# Altium PCB Archimajor.PcbDoc (part 9 of 12) (continued)
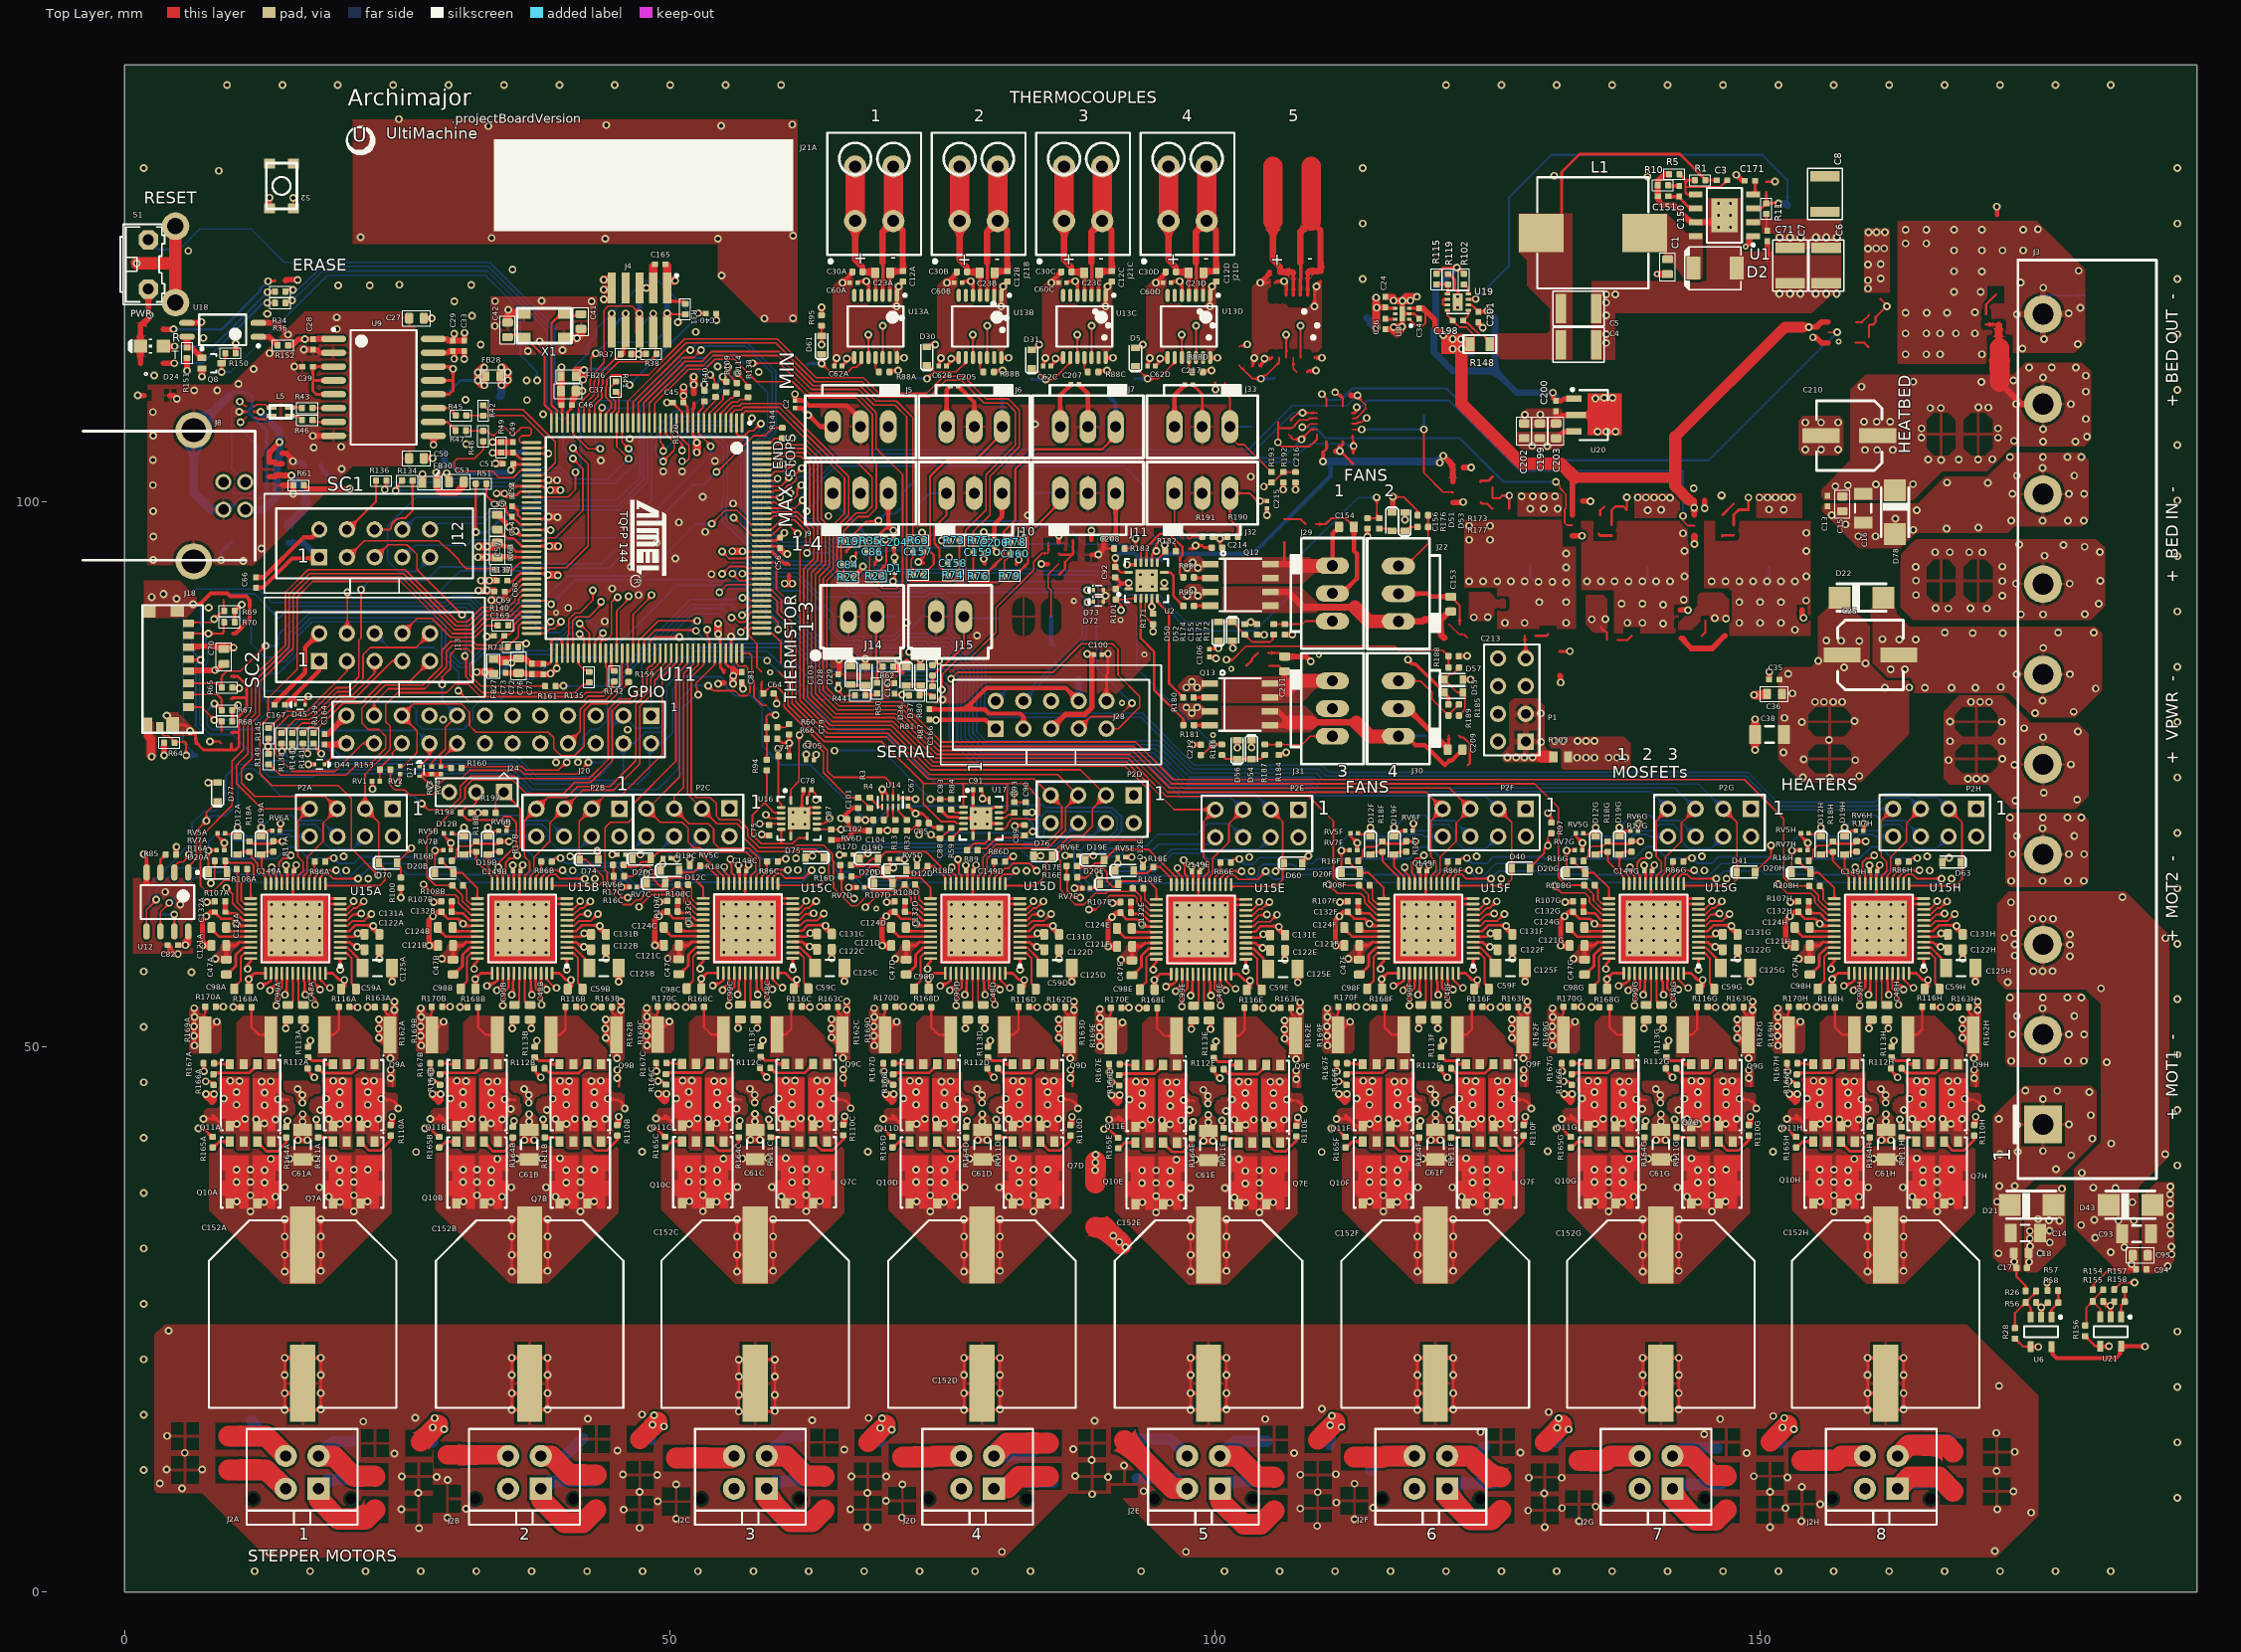
[diagram p0: Top Layer view]
## Nets (pads, with @x,y where several pads share a name; then routed paths per layer and width w, separated by ;. In a path a pad name is that pad's centre, name@x,y a point inside that pad or via, vN(x,y) a via of type N, cw(c..) or ccw(c..) an arc to the next point about the centre after c; other vN are vias at no path point) (continued)
SCLK_M1BUS: C104.2 R13.1 U12.6 U15A.14 U15B.14 U15C.14 U15D.14 | length 123.7
  Top Layer w0.152: U12.6@3.302,60.571 3.302,62.352 4.121,63.171 v1(4.121,63.196)
  Top Layer w0.165: C104.2@69.218,69.809 69.23,69.822 69.945,69.822 v1(69.958,69.834) 69.963,69.829 R13.1@70.693,69.829
  Top Layer w0.166: U15A.14@17.932,64.935 17.932,65.433 17.95,65.451 17.95,65.51 18.262,65.822 18.713,65.822 19.125,65.41 v1(21.425,65.41) ; U15B.14@38.707,64.935 38.707,65.433 38.725,65.451 38.725,65.51 39.037,65.822 39.488,65.822 39.9,65.41 v1(42.2,65.41) ; U15C.14@59.415,64.96 59.415,65.457 59.433,65.475 59.433,65.534 59.745,65.846 60.196,65.846 60.608,65.434 62.262,65.434 v1(63.012,66.184) ; U15D.14@80.257,64.935 80.257,65.433 80.275,65.451 80.275,65.51 80.587,65.822 81.397,65.822 v1@81.603,66.028
  Mid1 w0.257: v1(69.958,69.834) 71.039,68.753 78.979,68.753 79.094,68.638 83.864,68.638 84.768,67.734 84.768,67.334 84.468,67.034 84.46,67.034 84.274,66.849 82.749,66.849 82.699,66.798 82.357,66.798 81.684,66.126 v1(81.748,66.126)
  Bottom Layer w0.152: v1(4.121,63.196) 6.41,65.484 6.992,65.484 7.518,66.01
  Bottom Layer w0.166: 7.518,66.01 9.2,66.01 10.15,65.06 21.057,65.06 v1@21.407,65.41 ; v1(21.425,65.41) v1@21.407,65.41 ; v1(42.2,65.41) v1@42.182,65.41 ; v1(63.012,66.184) 63.079,66.184 63.085,66.178 v1@63.085,66.116 ; v1(81.748,66.126) 81.745,66.126 80.679,65.06 72.242,65.06 71.492,64.31 67.675,64.31 66.459,65.526 63.675,65.526 v1@63.085,66.116 ; v1@21.407,65.41 22.348,66.351 25.341,66.351 25.907,65.785 30.2,65.785 30.925,65.06 41.832,65.06 v1@42.182,65.41 ; v1@42.182,65.41 42.882,66.11 44.267,66.11 45.101,65.276 45.891,65.276 46.833,64.334 50.65,64.334 51.4,65.084 62.138,65.084 62.802,65.747 62.802,65.815 63.085,66.098 v1@63.085,66.116
SCLK_M2BUS: C85.2 R32.1 U15E.14 U15F.14 U15G.14 U15H.14 | length 133.6
  Top Layer w0.165: R32.1@71.743,69.829 71.827,69.914 72.197,69.914 72.589,70.305 72.599,70.305 C85.2@72.793,70.499 ; C85.2@72.793,70.509 C85.2@72.793,70.499 ; v1(72.843,69.434) 72.809,69.469 72.809,69.923 72.793,69.939 C85.2@72.793,70.499
  Top Layer w0.166: U15E.14@100.965,64.86 100.965,65.357 100.983,65.375 100.983,65.434 101.295,65.746 101.746,65.746 102.158,65.334 103.885,65.334 v1(104.635,66.084) ; U15F.14@121.807,64.935 121.807,65.433 121.825,65.451 121.825,65.51 122.137,65.822 122.588,65.822 123,65.41 v1(125.3,65.41) ; U15G.14@142.458,64.935 142.458,65.433 142.475,65.451 142.475,65.51 142.787,65.822 143.238,65.822 143.65,65.41 v1(145.95,65.41) ; U15H.14@163.108,64.935 163.108,65.433 163.125,65.451 163.125,65.51 163.437,65.822 163.889,65.822 164.3,65.41 v1(166.6,65.41)
  Bottom Layer w0.166: v1(72.843,69.434) 73.593,70.184 74.647,70.184 75.238,69.593 82.286,69.593 82.787,69.092 83.533,69.092 83.909,69.468 83.909,70.048 83.876,70.08 83.876,70.939 84.484,71.546 90.422,71.546 91.029,70.939 91.029,69.921 90.168,69.059 87.718,69.059 87.068,68.409 87.068,65.549 88.383,64.234 90.306,64.234 91.056,64.984 103.688,64.984 104.352,65.647 104.352,65.715 104.635,65.998 v1@104.635,66.078 ; v1(104.635,66.084) v1@104.635,66.078 ; v1(125.3,65.41) v1@125.282,65.41 ; v1(145.95,65.41) v1@145.932,65.41 ; v1(166.6,65.41) 166.582,65.41 166.232,65.06 155.325,65.06 154.6,65.785 150.432,65.785 150.107,66.11 146.632,66.11 v1@145.932,65.41 ; v1@104.635,66.078 105.369,65.344 106.147,65.344 106.587,65.785 113.3,65.785 114.025,65.06 124.932,65.06 v1@125.282,65.41 ; v1@125.282,65.41 125.982,66.11 129.457,66.11 129.782,65.785 133.95,65.785 134.675,65.06 145.582,65.06 v1@145.932,65.41
SCLK_TCBUS: C101.2 R3.1 U13A.10 U13B.10 U13C.10 U13D.10 | length 140.8
  Top Layer w0.165: v1(62.693,77.734) 63.373,77.734 64.075,77.033 64.075,75.125 66.37,72.83 C101.2@67.268,72.83 67.447,72.651 67.571,72.651 68.121,72.102 68.121,72.092 68.333,71.879 R3.1@68.343,71.879 ; U13A.10@68.215,113.189 v1(68.215,115.284) ; U13B.10@77.791,113.189 v1(77.791,115.284) ; U13C.10@87.366,113.189 v1(87.366,115.284) ; U13D.10@96.942,113.189 v1(96.942,115.284) ; 106.518,113.189 v1(106.518,115.284)
  Mid1 w0.257: v1(62.693,77.734) 64.618,79.659 72.518,79.659 73.768,80.909 75.668,80.909 79.318,84.559 96.343,84.559 117.097,105.313 117.097,109.258 111.071,115.284 v1(106.518,115.284) v1(96.942,115.284) v1(87.366,115.284) v1(68.215,115.284)
SDCD: J18.12 R64.1 TP13.1 U11.129 | length 78.9
  Top Layer w0.152: J18.12@3.25,79.276 3.457,79.07 3.457,78.656 3.616,78.497 4.051,78.497 R64.1@4.569,77.979 ; R64.1@4.553,77.979 R64.1@4.569,77.979 ; R64.1@4.596,77.979 R64.1@4.569,77.979 ; R64.1@4.646,77.929 5.641,77.929 5.641,76.72 v1(5.664,76.696) ; v1(53.848,97.943) 55.065,99.159 56.168,99.159 57.44,97.888 U11.129@58.429,97.888
  Bottom Layer w0.152: 5.372,79.156 5.372,77.902 6.579,76.696 TP13.1@6.629,76.645 ; 5.397,79.156 5.397,90.779 6.575,91.956 12.275,91.956 13.489,90.742 29.413,90.742 30.023,91.352 31.852,91.352 32.918,90.285 34.913,90.285 35.293,90.665 38.07,90.665 40.58,93.175 47.654,93.175 52.385,97.905 53.84,97.905 53.848,97.913 v1(53.848,97.943)
  Bottom Layer w0.406: v1(5.664,76.696) TP13.1@6.579,76.696
SHDN: U11.50
SNTP1: U2.15
  other v2: 93.149,92.188 94.249,92.188 93.149,93.288 94.249,93.288
SPIFLASH_CS: D77.K TP74.1 U11.92 U12.1 | length 64.5
  Top Layer w0.152: U12.1@5.842,65.971 5.842,66.484 6.604,67.245 6.604,69.795 v1(7.518,70.709) 7.518,71.484 8.219,72.186 8.219,72.286 8.443,72.509 D77.K@8.543,72.509 ; v1(27.257,72.289) 27.843,71.703 29.671,71.703 30.799,72.832 30.799,73.862 31.753,74.816 35.747,74.816 35.975,74.588 42.6,74.588 44.36,76.348 44.36,80.927 45.324,81.891 46.347,81.891 47.525,83.069 47.525,84.01 47.918,84.403 47.918,84.667 48.159,84.908 48.296,84.908 48.533,85.145 48.533,85.19 48.629,85.286 U11.92@48.629,86.088
  Bottom Layer w0.152: v1(7.518,70.709) 7.98,71.172 TP74.1@9.292,71.172 10.413,72.293 10.413,74.853 11.067,75.506 11.81,75.506 14.333,72.983 26.564,72.983 v1(27.257,72.289)
SRAHA: R168A.1 U15A.8 | length 27
  Top Layer w0.178: v1(9.987,53.625) R168A.1@10.687,53.625 ; U15A.8@19.782,61.585 20.425,61.585 20.965,62.125 21.491,62.125 21.614,62.047 21.63,62.037 v1@21.721,61.979
  Mid1 w0.152: v1(9.987,53.625) 9.677,53.935 9.677,56.732 10.922,57.976 12.09,57.976 12.827,57.24 18.745,57.24 19.431,57.925 21.819,57.925 23.914,60.021 23.914,61.384 23.247,62.051 23.247,62.428 22.873,62.802 22.314,62.802 v1(21.712,62.2)
SRAHB: R168B.1 U15B.8 | length 27
  Top Layer w0.178: v1(30.762,53.625) R168B.1@31.462,53.625 ; U15B.8@40.557,61.585 41.2,61.585 41.74,62.125 42.266,62.125 42.389,62.047 42.405,62.037 v1@42.496,61.979
  Mid1 w0.152: v1(30.762,53.625) 30.452,53.935 30.452,56.732 31.697,57.976 32.865,57.976 33.602,57.24 39.52,57.24 40.206,57.925 42.594,57.925 44.689,60.021 44.689,61.384 44.022,62.051 44.022,62.428 43.648,62.802 43.089,62.802 v1(42.487,62.2)
SRAHC: R168C.1 U15C.8 | length 27
  Top Layer w0.178: v1(51.47,53.65) R168C.1@52.17,53.65 ; U15C.8@61.265,61.61 61.908,61.61 62.448,62.15 62.974,62.15 63.097,62.071 63.113,62.061 v1@63.204,62.003
  Mid1 w0.152: v1(51.47,53.65) 51.16,53.96 51.16,56.756 52.405,58.001 53.573,58.001 54.31,57.264 60.228,57.264 60.914,57.95 63.301,57.95 65.397,60.045 65.397,61.408 64.73,62.075 64.73,62.452 64.356,62.827 63.797,62.827 v1(63.195,62.225)
SRAHD: R168D.1 U15D.8 | length 27
  Top Layer w0.178: v1(72.312,53.625) R168D.1@73.012,53.625 ; U15D.8@82.107,61.585 82.75,61.585 83.29,62.125 83.816,62.125 83.939,62.047 83.955,62.037 v1@84.046,61.979
  Mid1 w0.152: v1(72.312,53.625) 72.002,53.935 72.002,56.732 73.247,57.976 74.415,57.976 75.152,57.24 81.07,57.24 81.756,57.925 84.144,57.925 86.239,60.021 86.239,61.384 85.572,62.051 85.572,62.428 85.198,62.802 84.639,62.802 v1(84.037,62.2)
SRAHE: R168E.1 U15E.8 | length 27
  Top Layer w0.178: v1(93.02,53.55) R168E.1@93.72,53.55 ; U15E.8@102.815,61.51 103.458,61.51 103.998,62.05 104.524,62.05 104.647,61.971 104.663,61.961 v1@104.754,61.903
  Mid1 w0.152: v1(93.02,53.55) 92.71,53.86 92.71,56.656 93.955,57.901 95.123,57.901 95.86,57.164 101.778,57.164 102.464,57.85 104.851,57.85 106.947,59.945 106.947,61.308 106.28,61.975 106.28,62.352 105.906,62.727 105.347,62.727 v1(104.745,62.125)
SRAHF: R168F.1 U15F.8 | length 27
  Top Layer w0.178: v1(113.862,53.625) R168F.1@114.562,53.625 ; U15F.8@123.657,61.585 124.3,61.585 124.84,62.125 125.366,62.125 125.489,62.047 125.505,62.037 v1@125.596,61.979
  Mid1 w0.152: v1(113.862,53.625) 113.552,53.935 113.552,56.732 114.797,57.976 115.965,57.976 116.702,57.24 122.62,57.24 123.306,57.925 125.694,57.925 127.789,60.021 127.789,61.384 127.122,62.051 127.122,62.428 126.748,62.802 126.189,62.802 v1(125.587,62.2)
SRAHG: R168G.1 U15G.8 | length 27
  Top Layer w0.178: v1(134.513,53.625) R168G.1@135.213,53.625 ; U15G.8@144.308,61.585 144.95,61.585 145.49,62.125 146.016,62.125 146.139,62.047 146.155,62.037 v1@146.246,61.979
  Mid1 w0.152: v1(134.513,53.625) 134.203,53.935 134.203,56.732 135.447,57.976 136.616,57.976 137.352,57.24 143.27,57.24 143.956,57.925 146.344,57.925 148.439,60.021 148.439,61.384 147.772,62.051 147.772,62.428 147.398,62.802 146.839,62.802 v1(146.238,62.2)
SRAHH: R168H.1 U15H.8 | length 27
  Top Layer w0.178: v1(155.163,53.625) R168H.1@155.863,53.625 ; U15H.8@164.958,61.585 165.6,61.585 166.14,62.125 166.666,62.125 166.79,62.047 166.805,62.037 v1@166.896,61.979
  Mid1 w0.152: v1(155.163,53.625) 154.853,53.935 154.853,56.732 156.097,57.976 157.266,57.976 158.002,57.24 163.921,57.24 164.606,57.925 166.994,57.925 169.089,60.021 169.089,61.384 168.422,62.051 168.422,62.428 168.048,62.802 167.49,62.802 v1(166.888,62.2)
SRALA: R170A.1 U15A.7 | length 25.8
  Top Layer w0.178: R170A.1@8.492,53.65 9.065,53.65 v1(9.068,53.653) ; U15A.7@19.782,61.085 20.464,61.085 20.91,61.532 21.994,61.532 22.412,61.95 v1@22.687,61.95
  Mid1 w0.178: v1(9.068,53.653) 9.334,53.92 9.334,56.874 10.78,58.319 12.232,58.319 12.969,57.582 18.603,57.582 19.289,58.268 21.677,58.268 23.571,60.163 23.571,61.242 v1(22.637,62.175)
SRALB: R170B.1 U15B.7 | length 25.8
  Top Layer w0.178: R170B.1@29.267,53.65 29.84,53.65 v1(29.843,53.653) ; U15B.7@40.557,61.085 41.239,61.085 41.685,61.532 42.769,61.532 43.187,61.95 v1@43.462,61.95
  Mid1 w0.178: v1(29.843,53.653) 30.109,53.92 30.109,56.874 31.555,58.319 33.007,58.319 33.744,57.582 39.378,57.582 40.064,58.268 42.452,58.268 44.346,60.163 44.346,61.242 v1(43.412,62.175)
SRALC: R170C.1 U15C.7 | length 25.8
  Top Layer w0.178: R170C.1@49.975,53.675 50.548,53.675 v1(50.551,53.678) ; U15C.7@61.265,61.11 61.947,61.11 62.393,61.556 63.477,61.556 63.895,61.975 v1@64.17,61.975
  Mid1 w0.178: v1(50.551,53.678) 50.817,53.944 50.817,56.898 52.263,58.343 53.715,58.343 54.452,57.607 60.086,57.607 60.772,58.293 63.159,58.293 65.054,60.187 65.054,61.266 v1(64.12,62.2)
SRALD: R170D.1 U15D.7 | length 25.8
  Top Layer w0.178: R170D.1@70.817,53.65 71.39,53.65 v1(71.393,53.653) ; U15D.7@82.107,61.085 82.789,61.085 83.235,61.532 84.319,61.532 84.737,61.95 v1@85.012,61.95
  Mid1 w0.178: v1(71.393,53.653) 71.659,53.92 71.659,56.874 73.105,58.319 74.557,58.319 75.294,57.582 80.928,57.582 81.614,58.268 84.002,58.268 85.896,60.163 85.896,61.242 v1(84.962,62.175)
SRALE: R170E.1 U15E.7 | length 25.8
  Top Layer w0.178: R170E.1@91.525,53.575 92.098,53.575 v1(92.101,53.578) ; U15E.7@102.815,61.01 103.497,61.01 103.943,61.456 105.027,61.456 105.445,61.875 v1@105.72,61.875
  Mid1 w0.178: v1(92.101,53.578) 92.367,53.844 92.367,56.798 93.813,58.243 95.265,58.243 96.002,57.507 101.636,57.507 102.322,58.193 104.709,58.193 106.604,60.087 106.604,61.166 v1(105.67,62.1)
SRALF: R170F.1 U15F.7 | length 25.8
  Top Layer w0.178: R170F.1@112.367,53.65 112.94,53.65 v1(112.943,53.653) ; U15F.7@123.657,61.085 124.339,61.085 124.785,61.532 125.869,61.532 126.287,61.95 v1@126.562,61.95
  Mid1 w0.178: v1(112.943,53.653) 113.209,53.92 113.209,56.874 114.655,58.319 116.107,58.319 116.844,57.582 122.478,57.582 123.164,58.268 125.552,58.268 127.446,60.163 127.446,61.242 v1(126.512,62.175)
SRALG: R170G.1 U15G.7 | length 25.8
  Top Layer w0.178: R170G.1@133.018,53.65 133.59,53.65 v1(133.593,53.653) ; U15G.7@144.308,61.085 144.989,61.085 145.435,61.532 146.519,61.532 146.938,61.95 v1@147.213,61.95
  Mid1 w0.178: v1(133.593,53.653) 133.86,53.92 133.86,56.874 135.305,58.319 136.758,58.319 137.494,57.582 143.128,57.582 143.814,58.268 146.202,58.268 148.096,60.163 148.096,61.242 v1(147.163,62.175)
SRALH: R170H.1 U15H.7 | length 25.8
  Top Layer w0.178: R170H.1@153.668,53.65 154.241,53.65 v1(154.243,53.653) ; U15H.7@164.958,61.085 165.639,61.085 166.086,61.532 167.169,61.532 167.588,61.95 v1@167.863,61.95
  Mid1 w0.178: v1(154.243,53.653) 154.51,53.92 154.51,56.874 155.955,58.319 157.408,58.319 158.144,57.582 163.779,57.582 164.464,58.268 166.852,58.268 168.747,60.163 168.747,61.242 v1(167.813,62.175)
SRBHA: R116A.1 U15A.9 | length 15.9
  Top Layer w0.178: U15A.9@19.782,62.085 20.386,62.085 21.003,62.703 21.281,62.703 21.707,63.129 v1@21.946,63.129
  Top Layer w0.203: R116A.1@20.622,53.658 20.673,53.607 v1(21.361,53.607)
  Mid1 w0.152: v1(21.361,53.607) 21.361,53.616 21.946,54.201 21.946,55.36 24.435,57.849 24.435,61.798 22.908,63.325 v1(21.937,63.325)
SRBHB: R116B.1 U15B.9 | length 15.9
  Top Layer w0.178: U15B.9@40.557,62.085 41.161,62.085 41.778,62.703 42.056,62.703 42.482,63.129 v1@42.721,63.129
  Top Layer w0.203: R116B.1@41.397,53.658 41.448,53.607 v1(42.136,53.607)
  Mid1 w0.152: v1(42.136,53.607) 42.136,53.616 42.721,54.201 42.721,55.36 45.21,57.849 45.21,61.798 43.683,63.325 v1(42.712,63.325)
SRBHC: R116C.1 U15C.9 | length 15.9
  Top Layer w0.178: U15C.9@61.265,62.11 61.869,62.11 62.486,62.727 62.764,62.727 63.19,63.153 v1@63.429,63.153
  Top Layer w0.203: R116C.1@62.105,53.683 62.156,53.632 v1(62.844,53.632)
  Mid1 w0.152: v1(62.844,53.632) 62.844,53.641 63.428,54.225 63.428,55.384 65.918,57.874 65.918,61.823 64.391,63.35 v1(63.42,63.35)
SRBHD: R116D.1 U15D.9 | length 15.9
  Top Layer w0.178: U15D.9@82.107,62.085 82.711,62.085 83.328,62.703 83.606,62.703 84.032,63.129 v1@84.271,63.129
  Top Layer w0.203: R116D.1@82.947,53.658 82.998,53.607 v1(83.686,53.607)
  Mid1 w0.152: v1(83.686,53.607) 83.686,53.616 84.271,54.201 84.271,55.36 86.76,57.849 86.76,61.798 85.233,63.325 v1(84.262,63.325)
SRBHE: R116E.1 U15E.9 | length 15.9
  Top Layer w0.178: U15E.9@102.815,62.01 103.419,62.01 104.036,62.627 104.314,62.627 104.74,63.053 v1@104.979,63.053
  Top Layer w0.203: R116E.1@103.655,53.583 103.706,53.532 v1(104.394,53.532)
  Mid1 w0.152: v1(104.394,53.532) 104.394,53.541 104.978,54.125 104.978,55.284 107.468,57.774 107.468,61.723 105.941,63.25 v1(104.97,63.25)
SRBHF: R116F.1 U15F.9 | length 15.9
  Top Layer w0.178: U15F.9@123.657,62.085 124.261,62.085 124.878,62.703 125.156,62.703 125.582,63.129 v1@125.821,63.129
  Top Layer w0.203: R116F.1@124.497,53.658 124.548,53.607 v1(125.236,53.607)
  Mid1 w0.152: v1(125.236,53.607) 125.236,53.616 125.821,54.201 125.821,55.36 128.31,57.849 128.31,61.798 126.783,63.325 v1(125.812,63.325)
SRBHG: R116G.1 U15G.9 | length 15.9
  Top Layer w0.178: U15G.9@144.308,62.085 144.911,62.085 145.529,62.703 145.806,62.703 146.232,63.129 v1@146.471,63.129
  Top Layer w0.203: R116G.1@145.147,53.658 145.198,53.607 v1(145.887,53.607)
  Mid1 w0.152: v1(145.887,53.607) 145.887,53.616 146.471,54.201 146.471,55.36 148.96,57.849 148.96,61.798 147.433,63.325 v1(146.463,63.325)
SRBHH: R116H.1 U15H.9 | length 15.9
  Top Layer w0.178: U15H.9@164.958,62.085 165.562,62.085 166.179,62.703 166.456,62.703 166.882,63.129 v1@167.121,63.129
  Top Layer w0.203: R116H.1@165.798,53.658 165.848,53.607 v1(166.537,53.607)
  Mid1 w0.152: v1(166.537,53.607) 166.537,53.616 167.121,54.201 167.121,55.36 169.61,57.849 169.61,61.798 168.083,63.325 v1(167.113,63.325)
SRBLA: R163A.1 U15A.10 | length 16.5
  Top Layer w0.178: U15A.10@19.782,62.585 20.347,62.585 20.912,63.15 v1@21.012,63.15 ; v1(21.012,63.35) v1@21.112,63.45 ; v1(22.276,53.633) R163A.1@22.962,53.633
  Mid1 w0.152: v1(21.012,63.35) 21.645,63.983 22.72,63.983 24.765,61.939 24.765,57.712 22.276,55.223 v1(22.276,53.633)
SRBLB: R163B.1 U15B.10 | length 16.5
  Top Layer w0.178: U15B.10@40.557,62.585 41.122,62.585 41.687,63.15 v1@41.787,63.15 ; v1(41.787,63.35) v1@41.887,63.45 ; v1(43.051,53.633) R163B.1@43.737,53.633
  Mid1 w0.152: v1(41.787,63.35) 42.42,63.983 43.495,63.983 45.54,61.939 45.54,57.712 43.051,55.223 v1(43.051,53.633)
SRBLC: R163C.1 U15C.10 | length 16.5
  Top Layer w0.178: U15C.10@61.265,62.61 61.83,62.61 62.395,63.175 v1@62.495,63.175 ; v1(62.495,63.375) v1@62.595,63.475 ; v1(63.759,53.657) R163C.1@64.444,53.657
  Mid1 w0.152: v1(62.495,63.375) 63.128,64.008 64.203,64.008 66.248,61.963 66.248,57.737 63.759,55.248 v1(63.759,53.657)
SRBLD: R163D.1 U15D.10 | length 16.5
  Top Layer w0.178: U15D.10@82.107,62.585 82.672,62.585 83.237,63.15 v1@83.337,63.15 ; v1(83.337,63.35) v1@83.437,63.45 ; v1(84.601,53.633) R163D.1@85.287,53.633
  Mid1 w0.152: v1(83.337,63.35) 83.97,63.983 85.045,63.983 87.09,61.939 87.09,57.712 84.601,55.223 v1(84.601,53.633)
SRBLE: R163E.1 U15E.10 | length 16.5
  Top Layer w0.178: U15E.10@102.815,62.51 103.38,62.51 103.945,63.075 v1@104.045,63.075 ; v1(104.045,63.275) v1@104.145,63.375 ; v1(105.309,53.557) R163E.1@105.994,53.557
  Mid1 w0.152: v1(104.045,63.275) 104.678,63.908 105.753,63.908 107.798,61.863 107.798,57.637 105.309,55.148 v1(105.309,53.557)
SRBLF: R163F.1 U15F.10 | length 16.5
  Top Layer w0.178: U15F.10@123.657,62.585 124.222,62.585 124.787,63.15 v1@124.887,63.15 ; v1(124.887,63.35) v1@124.987,63.45 ; v1(126.151,53.633) R163F.1@126.837,53.633
  Mid1 w0.152: v1(124.887,63.35) 125.52,63.983 126.595,63.983 128.64,61.939 128.64,57.712 126.151,55.223 v1(126.151,53.633)
SRBLG: R163G.1 U15G.10 | length 16.5
  Top Layer w0.178: U15G.10@144.308,62.585 144.872,62.585 145.437,63.15 v1@145.538,63.15 ; v1(145.538,63.35) v1@145.638,63.45 ; v1(146.801,53.633) R163G.1@147.487,53.633
  Mid1 w0.152: v1(145.538,63.35) 146.17,63.983 147.245,63.983 149.29,61.939 149.29,57.712 146.801,55.223 v1(146.801,53.633)
SRBLH: R163H.1 U15H.10 | length 16.5
  Top Layer w0.178: U15H.10@164.958,62.585 165.523,62.585 166.088,63.15 v1@166.188,63.15 ; v1(166.188,63.35) v1@166.288,63.45 ; v1(167.451,53.633) R163H.1@168.137,53.633
  Mid1 w0.152: v1(166.188,63.35) 166.821,63.983 167.896,63.983 169.94,61.939 169.94,57.712 167.451,55.223 v1(167.451,53.633)
STEP1: P2A.5 U11.65 U15A.17 | length 63.1
  Top Layer w0.152: U15A.17@16.432,64.935 16.432,65.643 16.75,65.96 16.75,67.362 18.225,68.837 18.225,70.51 P2A.5@19.525,71.81 18.375,72.96 11.95,72.96 10.725,74.185 10.725,75.458 11.687,76.42 11.687,79.727 12.359,80.399 12.359,83.416 15.469,86.526 15.469,91.377 17.12,93.028 25.441,93.028 30.229,88.24 31.825,88.24 33.161,89.576 35.017,89.576 36.15,90.709 36.15,91.055 36.482,91.388 U11.65@37.329,91.388
STEP2: P2B.5 U11.95 U15B.17 | length 28.2
  Top Layer w0.152: U15B.17@37.207,64.935 37.207,65.643 37.525,65.96 37.525,67.362 39,68.837 39,70.51 P2B.5@40.3,71.81 42,73.51 44.825,73.51 47.256,75.941 47.256,81.219 48.606,82.569 48.606,83.582 48.985,83.961 48.985,84.088 50.033,85.136 50.033,85.19 50.129,85.286 U11.95@50.129,86.088
STEP3: P2C.5 U11.99 U15C.17 | length 27.9
  Top Layer w0.152: U11.99@52.129,86.088 52.129,85.064 51.261,84.196 51.261,73.794 50.39,72.923 50.39,71.837 P2C.5@50.393,71.834 51.778,70.449 53.553,70.449 54.018,69.984 54.018,68.709 54.527,68.2 57.238,68.2 58.233,67.205 58.233,65.984 57.915,65.667 U15C.17@57.915,64.96
STEP4: P2D.5 U11.117 U15D.17 | length 55.9
  Top Layer w0.152: U11.117@58.429,91.888 59.314,91.888 60.221,90.98 60.221,89.896 61.151,88.966 61.151,87.228 61.564,86.815 61.564,81.614 64.432,78.746 70.019,78.746 73.815,74.95 85.552,74.95 P2D.5@87.453,73.049 86.298,71.894 86.298,69.839 84.653,68.194 80.043,68.194 79.075,67.226 79.075,65.96 78.757,65.643 U15D.17@78.757,64.935
STEP5: P2E.5 U11.118 U15E.17 | length 73.4
  Top Layer w0.152: v1(54.55,91.675) 55.253,92.378 58.419,92.378 U11.118@58.429,92.388 ; U15E.17@99.465,64.86 99.465,65.567 99.783,65.884 99.783,67.286 101.258,68.761 101.258,70.434 P2E.5@102.558,71.734
  Bottom Layer w0.152: v1(54.55,91.675) 54.829,91.954 56.986,91.954 57.31,91.63 57.31,89.94 59.933,87.317 61.185,87.317 64.418,84.084 65.243,84.084 66.656,82.671 70.671,82.671 71.675,83.675 74.911,83.675 75.641,82.945 75.641,78.237 78.043,75.834 93.893,75.834 96.868,72.859 101.433,72.859 P2E.5@102.558,71.734
STEP6: P2F.5 U11.1 U15F.17 | length 105.7
  Top Layer w0.152: U11.1@56.629,107.188 56.629,107.976 56.908,108.255 56.931,108.255 56.944,108.268 59.893,108.268 66.015,102.147 66.015,98.89 64.623,97.499 64.623,94.033 63.698,93.108 63.698,82.541 63.71,82.541 65.372,80.879 70.903,80.879 74.622,77.16 92.388,77.16 95.814,73.734 121.476,73.734 P2F.5@123.4,71.81 122.1,70.51 122.1,68.837 120.625,67.362 120.625,65.96 120.307,65.643 U15F.17@120.307,64.935
STEP7: P2G.5 U11.123 U15G.17 | length 115.7
  Top Layer w0.152: v1(54.793,95.4) 55.43,94.763 56.922,94.763 57.047,94.888 U11.123@58.429,94.888 ; U15G.17@140.958,64.935 140.958,65.643 141.275,65.96 141.275,67.362 142.75,68.837 142.75,70.51 P2G.5@144.05,71.81
  Bottom Layer w0.152: v1(54.793,95.4) 55.507,94.686 55.633,94.686 55.687,94.74 57.293,94.74 58.009,94.024 58.009,94.017 59.527,92.499 59.527,91.702 64.374,86.856 67.269,86.856 67.574,86.551 70.925,86.551 71.543,87.17 73.433,87.17 73.872,86.731 75.247,86.731 77.505,84.472 77.505,83.024 77.425,82.943 77.425,78.554 78.67,77.309 94.504,77.309 97.479,74.334 108.949,74.334 109.552,73.731 142.129,73.731 P2G.5@144.05,71.81
STEP8: P2H.5 U11.16 U15H.17 | length 156.3
  Top Layer w0.152: U11.16@49.129,107.061 49.129,105.462 49.388,105.203 ; v1(49.387,104.601) 49.387,105.202 ; U15H.17@161.608,64.935 161.608,65.643 161.925,65.96 161.925,67.362 163.4,68.837 163.4,70.51 P2H.5@164.7,71.81
  Bottom Layer w0.152: v1(49.387,104.601) 49.419,104.601 51.789,106.971 55.35,106.971 56.493,105.828 56.493,97.545 58.329,95.709 58.329,95.213 59.076,94.466 59.076,94.459 60.073,93.462 61.693,93.462 63.918,91.237 67.074,91.237 67.675,90.636 67.675,88.146 68.203,87.618 70.483,87.618 71.101,88.237 71.981,88.237 73.381,89.636 73.381,90.615 73.991,91.225 74.853,91.225 75.463,90.615 75.463,88.053 78.572,84.944 78.572,82.582 78.492,82.502 78.492,81.037 79.339,80.19 93.207,80.19 97.937,75.46 109.519,75.46 110.17,74.809 148.67,74.809 151.414,72.065 160.673,72.065 161.448,72.839 163.671,72.839 P2H.5@164.7,71.81
TACH_1: C155.1 R174.1 U11.139 | length 59.7
  Top Layer w0.152: U11.139@58.429,102.888 59.231,102.888 59.327,102.984 59.386,102.984 59.477,103.074 59.902,103.074 60.287,103.459 v1(60.343,103.459) ; R174.1@102.718,88.736 103.816,88.736 103.841,88.736 C155.1@103.843,88.734
  Top Layer w0.305: v1(103.268,88.934) 103.698,88.934 103.671,88.907 103.69,88.887 103.69,88.861 103.816,88.736 103.817,88.734 C155.1@103.843,88.734
  Bottom Layer w0.152: v1(60.343,103.459) 59.743,103.459 58.74,102.457 58.74,99.843 59.874,98.709 61.013,98.709 61.983,97.74 63.503,97.74 65.05,96.192 66.936,96.192 68.995,94.134 70.9,94.134 71.851,95.084 73.218,95.084 73.868,95.734 75.568,95.734 76.368,96.534 81.703,96.534 82.153,96.084 86.493,96.084 88.402,94.176 89.318,94.176 92.053,91.44 94.862,91.44 97.368,88.934 100.328,88.934 v1(103.268,88.934)
TACH_2: C156.1 R176.1 U11.21 | length 103
  Top Layer w0.152: U11.21@46.629,107.188 46.629,109.096 51.393,113.859 v1(51.868,113.859) ; C156.1@113.968,98.459 115.038,98.459 R176.1@115.043,98.464 115.037,98.464 114.836,98.665 114.836,98.671 114.818,98.689 v1(114.818,100.359)
  Bottom Layer w0.152: v1(51.868,113.859) 52.598,114.59 57.065,114.59 59.723,111.932 59.723,106.359 58.385,105.02 58.385,98.168 60.302,96.251 64.489,96.251 64.903,95.837 66.789,95.837 68.847,93.778 83.637,93.778 83.794,93.621 89.182,93.621 91.719,91.084 94.643,91.084 97.593,88.134 103.643,88.134 106.943,91.434 106.943,94.184 113.118,100.359 v1(114.818,100.359)
TACH_3: C212.1 R186.1 U11.20 | length 86.9
  Top Layer w0.152: U11.20@47.129,107.188 47.129,109.07 51.248,113.19 52.198,113.19 v1(52.868,113.859) ; C212.1@98.693,76.734 98.874,76.916 98.999,76.916 v1(99.793,77.709) 100.614,77.709 R186.1@100.62,77.703
  Bottom Layer w0.152: v1(52.868,113.859) 53.243,114.234 56.918,114.234 59.368,111.784 59.368,106.506 58.029,105.168 58.029,98.021 60.165,95.884 62.292,95.884 62.303,95.896 64.27,95.896 64.55,95.616 64.621,95.616 66.839,93.398 67.954,93.398 67.966,93.409 83.503,93.409 83.647,93.266 89.035,93.266 92.818,89.482 92.818,84.684 v1(99.793,77.709)
TACH_4: C213.1 R188.1 U11.102 | length 84.5
  Top Layer w0.152: v1(53.418,88.234) 53.418,87.659 53.629,87.448 U11.102@53.629,86.088 U11.102@53.61,86.069 ; v1(101.043,85.484) 101.593,85.484 102.818,86.709 116.493,86.709 116.843,86.359 120.843,86.359 C213.1@121.393,85.809 121.393,84.761 R188.1@121.391,84.759
  Mid1 w0.152: v1(53.418,88.234) 53.418,87.659 58.268,82.809 58.268,77.359 59.452,76.175 66.5,76.175 68.359,78.034 74.593,78.034 79.593,83.034 96.493,83.034 98.368,84.909 100.468,84.909 v1(101.043,85.484)
TC_nCS1: D61.K TP11A.1 U11.138 U13A.9 | length 20.6
  Top Layer w0.152: U11.138@58.429,102.388 58.448,102.406 59.311,102.406 59.624,102.719 60.252,102.719 60.358,102.824 60.606,102.824 60.741,102.959 60.818,102.959 61.257,103.399 v1(61.257,103.492)
  Top Layer w0.166: D61.K@63.915,113.484 63.915,112.659 63.94,112.634 64.69,111.884 66.365,111.884 66.783,112.303 67.116,112.303 67.565,112.751 U13A.9@67.565,113.189
  Top Layer w0.257: v1(63.915,112.634) v1@63.94,112.634
  Mid1 w0.257: v1(61.257,103.492) 61.993,104.228 61.993,108.934 63.915,110.856 v1(63.915,112.634)
  Bottom Layer w0.257: TP11A.1@62.546,112.526 62.655,112.634 v1(63.915,112.634)
TC_nCS2: D30.K TP11B.1 U11.127 U13B.9 | length 37.8
  Top Layer w0.152: v1(55.843,98.509) 55.893,98.509 57.515,96.888 U11.127@58.429,96.888 58.443,96.902 59.385,96.902 60.293,97.809 60.918,97.809 61.692,97.036 v1(61.716,97.036)
  Top Layer w0.166: D30.K@73.491,112.659 73.516,112.634 74.191,111.959 ; v1(73.576,111.246) 74.21,111.88 76.27,111.88 77.141,112.751 U13B.9@77.141,113.189
  Top Layer w0.257: D30.K@73.491,112.634 D30.K@73.516,112.634
  Mid1 w0.257: v1(61.716,97.036) 62.519,97.036 63.393,97.909 63.393,108.233 65.944,110.784 73.114,110.784 v1(73.576,111.246)
  Bottom Layer w0.166: TP11B.1@72.433,111.278 72.448,111.262 73.56,111.262 v1(73.576,111.246)
TC_nCS3: D31.K TP11C.1 U11.82 U13C.9 | length 67.2
  Top Layer w0.152: U11.82@43.629,86.088 43.629,87.103 43.793,87.267 44.188,87.267 44.66,87.739 44.66,90.795 44.754,90.889 44.762,90.889 45.084,91.212 v1(45.235,91.212)
  Top Layer w0.166: D31.K@83.19,112.184 83.415,111.959 83.66,111.959 v1(84.452,111.167) 85.132,111.167 86.716,112.751 U13C.9@86.716,113.189
  Mid1 w0.152: v1(45.235,91.212) 48.058,94.034 53.368,94.034 53.518,94.184 58.018,94.184 58.893,93.309 62.343,93.309 62.668,93.634
  Mid1 w0.257: 62.668,93.634 66.218,97.184 66.218,108.384 67.443,109.609 82.895,109.609 v1(84.452,111.167)
  Bottom Layer w0.257: TP11C.1@83.171,111.179 83.182,111.167 v1(84.452,111.167)
TC_nCS4: D5.K TP11D.1 U11.85 U13D.9 | length 74.1
  Top Layer w0.152: U11.85@45.129,86.088 45.129,89.964 46.225,91.06 v1(46.225,91.31)
  Top Layer w0.166: D5.K@92.69,112.384 92.79,112.384 93.007,112.168 93.007,112.043 v1(93.804,111.246) 94.787,111.246 96.292,112.751 U13D.9@96.292,113.189
  Mid1 w0.152: v1@46.225,91.06 v1(46.225,91.31) 46.225,91.349 46.911,92.034 52.834,92.034 53.459,92.659 58.118,92.659 58.943,91.834 61.843,91.834 62.405,92.397
  Mid1 w0.257: 62.405,92.397 67.386,97.378 69.356,97.378 70.564,98.586 71.773,98.586 72.387,99.2 72.387,102.631 74.091,104.334 92.418,104.334 93.568,105.484 93.568,110.515 93.804,110.751 v1(93.804,111.246)
  Bottom Layer w0.257: TP11D.1@92.641,111.278 92.672,111.246 v1(93.804,111.246)
TC_nCS5: TP11E.1 U11.88 | length 83.8
  Top Layer w0.152: U11.88@46.629,86.088 46.629,89.639 48.325,91.335 v1(48.325,91.408)
  Top Layer w0.166: 102.215,112.459 103.428,111.246 v1(104.205,111.246) 104.522,111.563 104.68,111.563 105.868,112.751 105.868,113.189
  Mid1 w0.152: v1(48.325,91.408) 52.758,91.408 53.634,92.284 56.918,92.284 57.708,91.494 62.652,91.494
  Mid1 w0.257: 62.652,91.494 66.867,95.709 73.076,95.709 73.833,96.466 73.833,102.43 74.538,103.134 101.268,103.134 104.218,106.084 v1@104.218,111.345
  Bottom Layer w0.257: v1(104.205,111.246) 105.329,111.246 TP11E.1@105.4,111.317